# KiCad board Marble_Tiny.kicad_pcb (continued)
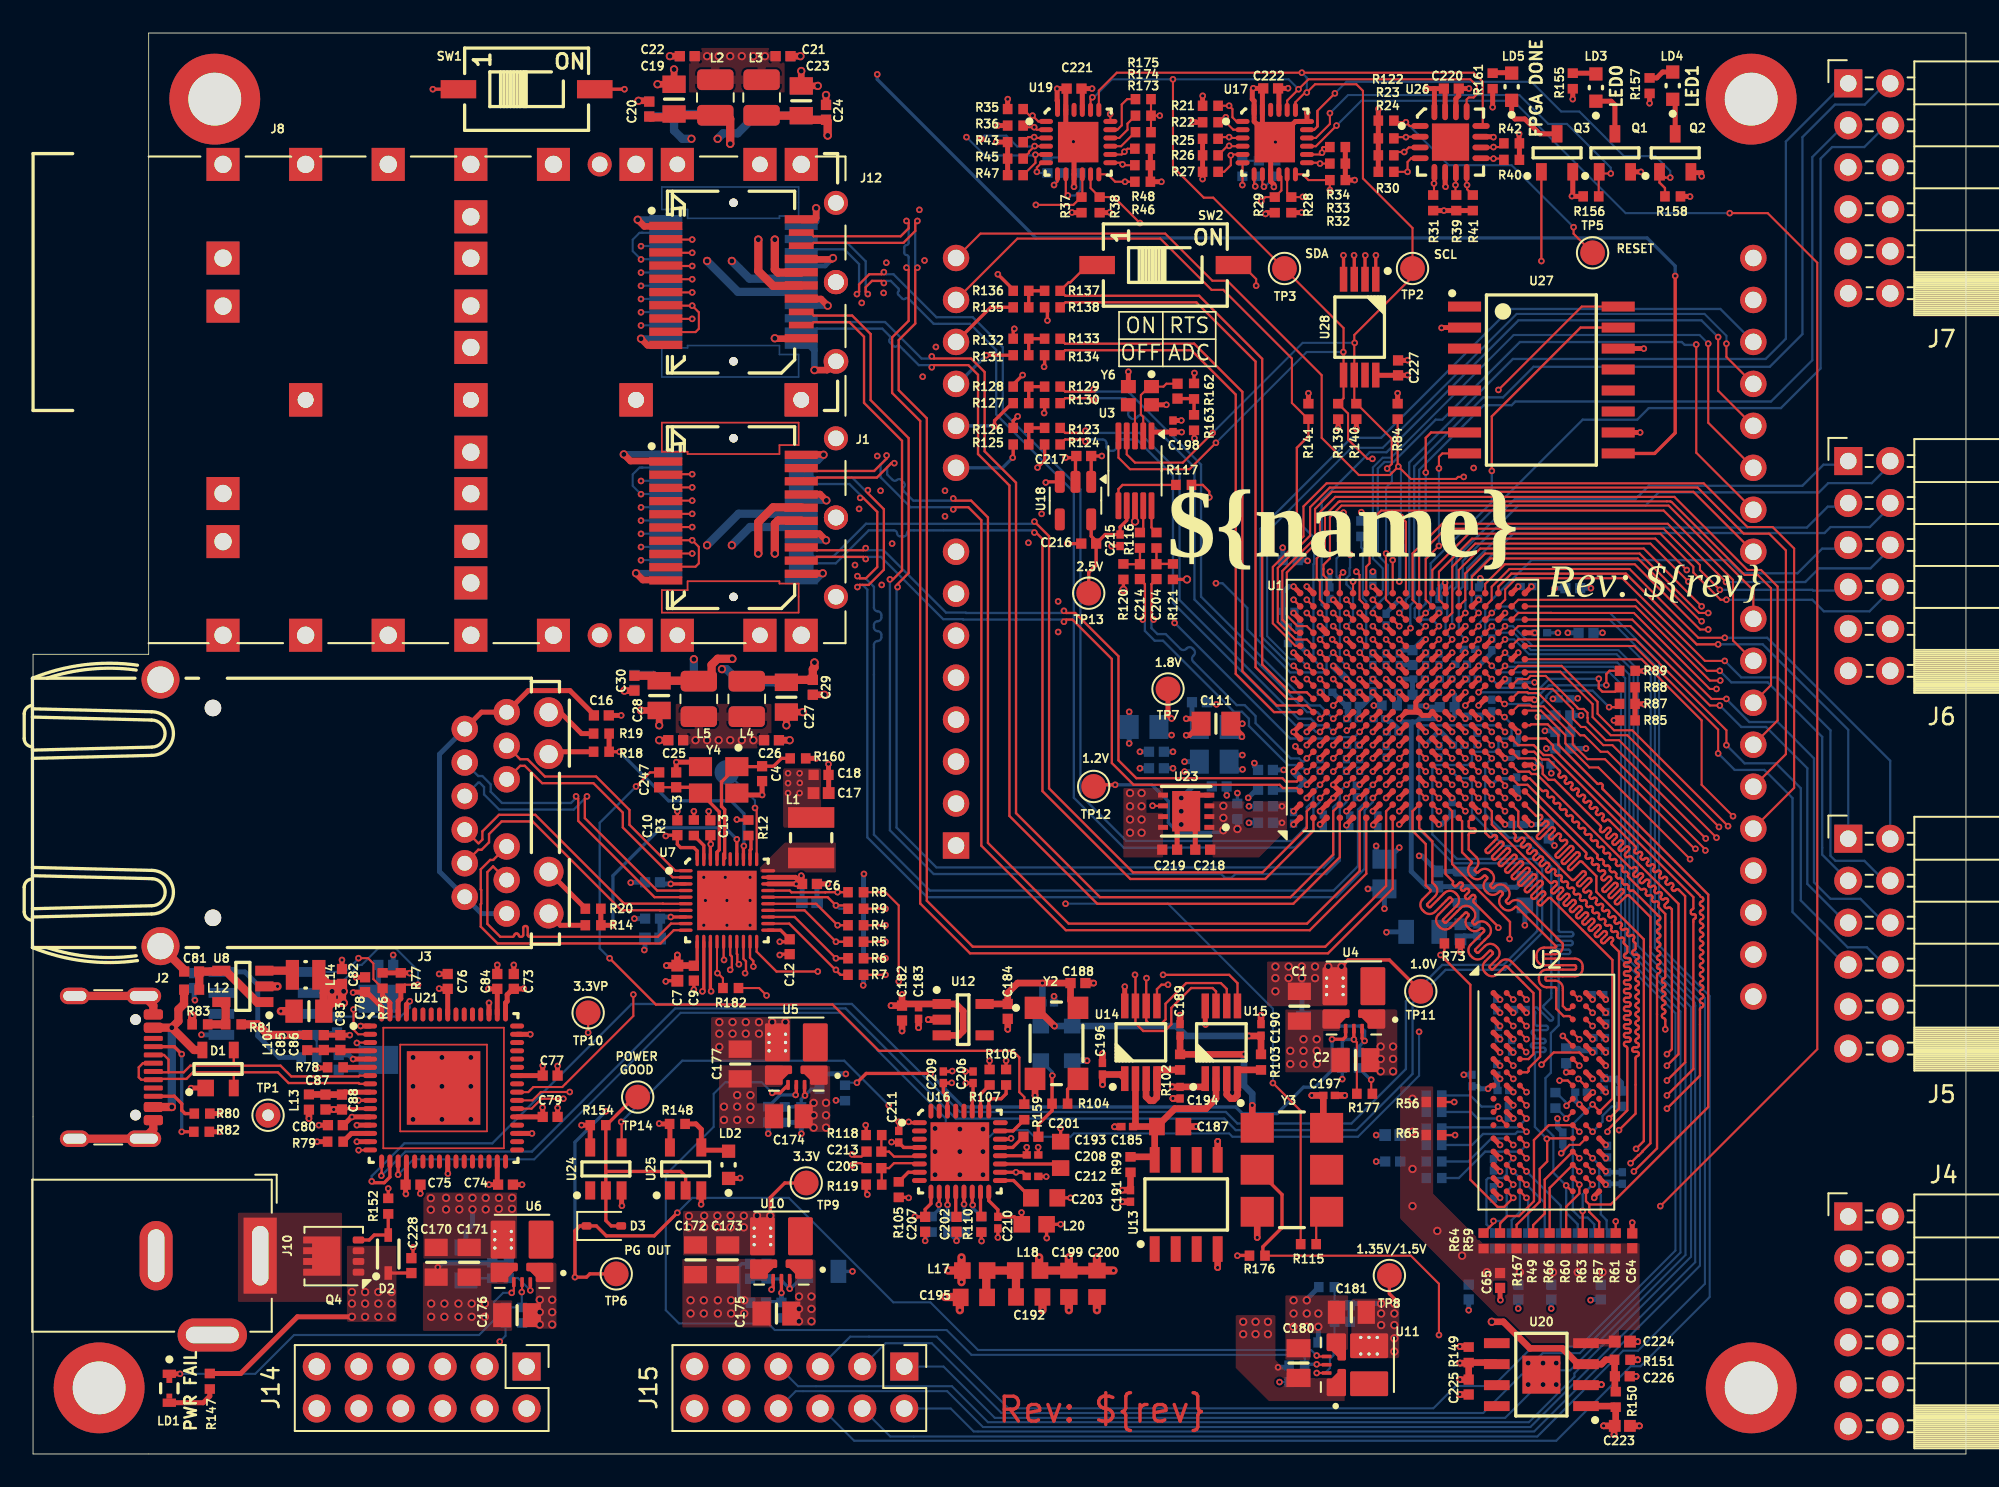
[diagram p0: board, top side]
## Routing (per net, layer and track width the routed paths; a pad name or vN(x,y) marks a point on that pad's centre or on a via; arc(x,y) is an arc through that point) (continued)
RGMII_TXD2: length 53.3
  Top w0.14: U1.E17 v1(79.5,51.7) ; v1(42.2,29.3) 42.3,29.4 42.3,30.1 42.2,30.2 U7.16
  In5.Cu w0.14: v1(42.2,29.3) 42.23,29.32 42.23,30.16 46.06,34 46.6,34 48.7,36.1 52.8,36.1 54.6,37.9 58.1,37.9 58.85,38.65 58.85,43.05 68.28,52.48 70.82,52.48 71.54,53.2 78.14,53.2 78.34,53 78.34,53 79.5,51.84 v1(79.5,51.7)
RGMII_TXD3: length 53.2
  Top w0.127: U1.D18 79.1,53.16 v1(79.29,53.36)
  Top w0.14: U7.15 41.8,29.93 v1(41.83,29.9)
  In5.Cu w0.127: v1(79.29,53.36) 78.86,53.79 78.34,53.79 78.15,53.6 68.8,53.6 58.45,43.25 58.45,38.85 57.96,38.36 54.5,38.36 52.94,36.8 47.75,36.8 44,33.05 43.85,33.05 41.83,31.03 v1(41.83,29.9)
RST: length 133.1
  Top w0.127: U26.1 83.33,80.38 v1(83.1,80.6) 82.47,80.6 R122.1 ; v1(93.25,74.25) 93.25,73.85 TP5.1
  Top w0.14: U1.P10 v1(86.7,45.3) ; U24.4 35.62,20.07 v1(35.6,20.1)
  In2.Cu w0.14: v1(93.25,74.25) 98.1,69.4 98.1,46.51 95.99,44.4 v1(95.69,44.4) 93.96,44.4 93.86,44.3 93.54,44.3 92.81,45.02 90.92,45.02 90.8,44.9 89.33,44.9 89.23,44.99 88.9,44.99 88.81,44.9 87,44.9 86.7,45.2 v1(86.7,45.3)
  In5.Cu w0.14: v1(51.8,21.1) 55.7,25 60.5,25 60.9,25.4 69.1,25.4 73.4,29.7 73.4,34.8 74.4,35.8 78,35.8 80.7,38.5 80.7,44.66 80.94,44.9 82.06,44.9 83.66,46.5 86.06,46.5 86.3,46.26 86.3,45.7 v1(86.7,45.3)
  Bottom w0.127: v1(93.25,74.25) 89.5,78 85.7,78 v1(83.1,80.6)
  Bottom w0.14: v1(35.6,20.1) 39.3,23.8 49.1,23.8 v1(51.8,21.1)
RTS: length 74.4
  Top w0.127: U21.40 29.98,21.9 30.29,22.21 32.04,22.21 36.34,26.51 v1(36.34,27.81) ; v1(74.04,70.71) 74.04,71.11 73.19,71.96 SW2.2
  In2.Cu w0.127: v1(36.34,27.81) 36.34,28.58 53.31,45.56 59.24,45.56 63.64,49.96 63.64,51.31 74.04,61.71 v1(74.04,70.71)
RX: length 67.8
  Top w0.127: v1(32.49,21.91) 30.74,21.91 30.23,21.4 U21.39 ; U1.F17 80.29,51.71 80.29,53.21 v1(80.1,53.4)
  In2.Cu w0.127: v1(80.1,53.4) 79.7,53.8 77.45,53.8 77.31,53.66 74.14,53.66 73.8,54 68.8,54 58.25,43.45 52.75,43.45 41.6,32.3 41.6,31.02 v1(32.49,21.91)
TX: length 71.4
  Top w0.127: v1(32.1,21.5) 30.78,21.5 30.18,20.9 U21.38 ; U1.H18 v1(82.3,54.1)
  In2.Cu w0.127: v1(32.1,21.5) 32.8,21.5 40,28.7 43.6,28.7 43.99,29.09 43.99,31.71 55.18,42.9 58.9,42.9 69.4,53.4 73.5,53.4 73.9,53 77.7,53 78.29,52.41 80.06,52.41 80.5,52.85 80.5,53.35 81.25,54.1 v1(82.3,54.1)
VCXO_EN: length 135
  Top w0.127: v1(85.1,7.2) 85.1,10.3 83.4,12 R176.1 ; v1(98.5,15) 108,24.5 108,72.1 105,75.1 v1(102.7,75.1) ; v1(78.9,80.4) 77.65,79.15 U17.15
  Top w0.2: 74.44,12.25 74.44,12.54 75.6,13.7 75.6,15.7 Y3.2
  In5.Cu w0.127: v1(85.1,7.2) 91.2,7.2 94.2,10.2 95.2,10.2 96.8,11.8 96.8,13.3 v1(98.5,15)
  Bottom w0.127: v1(102.7,75.1) 96.4,75.1 89.6,81.9 80.4,81.9 v1(78.9,80.4)
VUSB: length 12.1
  Top w0.5: D1.4 9.75,24.45 v2(8.4,25.8) ; v2(8.4,21) J2.A9 ; v2(8.4,25.8) 8.8,26.2 8.8,26.9 9.14,27.24 L12.1 ; v2(8.4,25.8) J2.A4
  Bottom w0.5: v2(8.4,25.8) v2(8.4,21)
WR_CLK0_N: length 48.1
  Top w0.14: U1.D5 v1(78.7,41.3) ; C213.1 50.15,18 49.7,18 v1(49.57,18.13)
  In5.Cu w0.12: v1(78.7,41.3) 78.3,41.7 76.62,41.7 76.4,41.92 75.06,41.92 74.67,41.53 74.67,37.93 72.47,35.73 72.47,30.53 68.77,26.83 56.17,26.83 48.97,19.63 48.97,18.27 49.27,17.97 49.41,17.97 v1(49.57,18.13)
WR_CLK0_P: length 49.3
  Top w0.14: v1(49.57,17.47) 49.7,17.6 50.15,17.6 C205.1 ; U1.D6 v1(78.7,42.1)
  In5.Cu w0.12: v1(49.57,17.47) 49.41,17.63 49.13,17.63 48.63,18.13 48.63,19.77 56.03,27.17 68.63,27.17 72.13,30.67 72.13,35.87 74.33,38.07 74.33,41.67 74.94,42.28 76.4,42.28 76.62,42.5 78.3,42.5 v1(78.7,42.1)
WR_DAC1_SYNC: length 31.1
  Top w0.14: v1(68.4,29) 72.4,29 72.91,28.49 U15.5 ; U1.D11 v1(78.7,46.9)
  In5.Cu w0.14: v1(68.4,29) 71.1,31.7 71.1,42.7 74.1,45.7 78.06,45.7 78.7,46.34 v1(78.7,46.9)
WR_DAC2_SYNC: length 25.3
  Top w0.14: U14.5 68.03,28.13 68.3,28.4 v1(68.7,28.4) ; U1.D10 v1(78.7,45.3)
  In5.Cu w0.14: v1(78.7,45.3) 76,45.3 73.4,42.7 72.8,42.7 71.5,41.4 71.5,31.2 v1(68.7,28.4)
WR_DAC_DIN: length 35.2
  Top w0.14: v1(66.7,29) 66.73,28.97 U14.7 66.73,26.07 67.2,25.6 68.5,25.6 68.9,26 68.9,27 70.1,28.2 71.4,28.2 71.61,27.99 U15.7 ; U1.B11 v1(77.1,46.9)
  In5.Cu w0.14: v1(66.7,29) 70.1,32.4 70.1,42.9 73.7,46.5 76.7,46.5 v1(77.1,46.9)
WR_DAC_SCLK: length 35.1
  Top w0.14: v1(67.4,28.8) 67.38,28.78 U14.6 67.38,26.22 67.57,26.03 68.29,26.03 68.55,26.3 68.55,27.25 69.8,28.5 71.9,28.5 72.25,28.14 U15.6 ; U1.C11 v1(77.9,46.9)
  In5.Cu w0.14: v1(67.4,28.8) 70.45,31.85 70.45,42.55 74.1,46.2 77.2,46.2 v1(77.9,46.9)
XADCGND: length 23.5
  Top w0.3: U1.K9 83.7,45.1 83.7,45.5 U1.K10 v1(84.3,46.1) ; U1.K9 84.1,44.7 84.5,44.7 U1.L9 v1(85.1,44.5) ; U1.K9 U1.J9 v1(82.7,44.5)
  Bottom w0.3: 83.5,44.3 82.9,44.3 v1(82.7,44.5) ; 83.5,44.3 83.75,44.3 83.95,44.5 v1(85.1,44.5) ; 83.5,44.3 83.42,44.22 83.42,35.26 84.34,34.34 C151.1 88.5,34.34 U9.3 89.8,34.3 L11.2
Net-(C192-Pad1): length 4.9
  Top w0.5: C192.1 59.5,11.05 L18.1 L17.2 57.7,11.05 57.7,9.5
Net-(C204-Pad2): length 2
  Top w0.14: R113.2 C204.2 68.02,53.87 R121.2
Net-(C214-Pad2): length 2
  Top w0.14: R120.2 66.02,53.85 C214.2 R116.2
Net-(C248-Pad2): length 2
  Top w0.2: R163.2 R162.2 70.25,63.87 69.28,63.87
Net-(D2-A): length 3.2
  Top w0.2: Q4.4 20.35,12.95 20.65,13.25 D2.2 R152.2
Net-(D3-A): length 15.3
  Top w0.127: 34.67,19.9 R154.2
  Top w0.2: 34.67,17.1 39.2,17.1 39.5,16.8 U25.2 ; 34.67,17.1 R154.2 34.7,19.9 36.4,21.6 TP14.1 ; 34.67,17.1 34.67,15.95 ; D3.2 35,13.8 34.67,14.12 U24.2
  Top w0.3: 34.67,15.95 U24.2
Net-(D3-K): length 138
  Top w0.127: U6.5 29.1,9.88 v1(28.97,9.75) ; U11.5 77.75,5.9 v1(77.7,5.95) ; U23.6 67.77,39.22 v1(67.76,39.23)
  Top w0.2: TP6.1 33.7,10.9 33.5,10.7 v1(32.8,10.7) 32.8,13.5 33.1,13.8 D3.1 34.1,13.8 34.7,13.2 37.6,13.2 v1(39,14.6)
  Top w0.3: LD1.1 v1(8.9,4.85)
  In2.Cu w0.2: v1(28.97,9.75) 28.97,10.27 29.4,10.7 v1(32.8,10.7)
  In5.Cu w0.127: v1(34.67,20.74) 37.53,23.6 49.4,23.6 53.9,28.1 57.3,28.1 62.1,32.9 63.02,32.9 67.76,37.64 v1(67.76,39.23)
  Bottom w0.127: v1(77.7,5.95) 77.36,6.29 57.2,6.29 54.32,9.17 52.08,9.17 45.75,15.5 39.9,15.5 v1(39,14.6) ; v1(8.9,4.85) 13.45,4.85 15.8,7.2 27,7.2 27.9,8.1 27.9,9.2 28.45,9.75 v1(28.97,9.75)
  Bottom w0.2: v1(34.67,20.74) 32.8,18.87 v1(32.8,10.7)
Net-(J1-VCCR): length 16.7
  Top w0.5: v2(44.9,54.5) 44.9,56.3 45.09,56.49 46.5,56.49 ; v2(47.3,47.9) 47.3,47.6 47.2,47.5 C29.2 43.27,46.85 L4.2
  In2.Cu w0.5: v2(44.9,54.5) 44.9,54.3 47.5,51.7 47.5,50.5 47.88,50.12 47.88,48.48 v2(47.3,47.9)
Net-(J1-VCCT): length 19.1
  Top w0.5: v2(42.33,48.13) 41.44,48.13 41.07,47.76 41.07,46.93 41.1,46.9 40.98,46.77 L5.2 40.27,46.8 C28.2 37.6,47.1 C30.2 ; 46.5,57.29 44.8,57.29 43.9,56.4 v2(43.9,54.5)
  In2.Cu w0.5: v2(42.33,48.13) 42.4,48.2 42.4,49.9 43.58,51.08 43.58,54.18 v2(43.9,54.5)
Net-(J2-CC1): length 7.3
  Top w0.2: v1(9,19.5) R82.1 ; J2.A5 8.55,24.65 v1(9,24.2)
  Bottom w0.2: v1(9,24.2) v1(9,19.5)
Net-(J2-CC2): length 3.1
  Top w0.2: J2.B5 8.55,21.65 9,21.2 9,20.8 9.2,20.6 R80.1
Net-(J3-LED1A): length 3.2
  Top w0.3: J3.14 33.43,33.02 R20.2
Net-(J3-LED2A): length 3.3
  Top w0.3: J3.16 31.9,44.9 33.2,43.6 R19.2
Net-(J3-TRCT1): length 23.8
  Top w0.3: C16.2 33.95,44.75 32.5,46.2 29.97,46.2 J3.12 27.15,44.9 J3.6
  Bottom w0.3: J3.6 24.6,42.35 24.6,35.25 J3.1 27.15,32.7 J3.7
Net-(J11-VCCR): length 19.9
  In5.Cu w0.5: v2(41.44,79.6) 41.44,77.94 41.1,77.6 41.1,74.9 42.3,73.7 v2(42.3,72.2)
  Bottom w0.5: v2(42.3,72.2) 43.37,71.13 46.46,71.13 ; v2(41.44,79.6) 41.77,79.93 42.65,79.93 43.75,81.02 L6.2 46.48,81.02 C35.2 46.75,80.75 C39.2
Net-(J11-VCCT): length 20.7
  In5.Cu w0.5: v2(40.8,72.2) 40.8,73.8 40.41,74.19 40.41,79.23 40.04,79.6 v2(39.85,79.6)
  Bottom w0.5: v2(40.8,72.2) 42.67,70.33 46.46,70.33 ; v2(39.85,79.6) 39.3,79.6 38.8,80.1 C36.2 ; L7.2 41.23,81.1 C36.2 ; C36.2 38.66,80.96 37.31,80.96 C40.2
Net-(J12-VCCR): length 18
  Top w0.5: v2(42.2,79.3) 42.2,80.8 41.98,81.02 L2.2 38.88,81.02 C19.2 38.6,80.9 37.35,80.9 C20.2 ; v2(43.9,73.49) 43.9,71.59 44.8,70.7 46.5,70.7
  In5.Cu w0.5: v2(43.9,73.49) 43.9,76.39 42.2,78.09 v2(42.2,79.3)
Net-(J12-VCCT): length 16.1
  Top w0.5: L3.2 44.12,81 C23.2 46.75,80.75 C24.2 48.1,80.65 v2(48.1,79.8) ; v2(44.9,73.49) 44.9,71.69 45.09,71.5 46.5,71.5
  In5.Cu w0.5: v2(48.1,79.8) 48.1,77.3 44.9,74.1 v2(44.9,73.49)
Net-(J13-VCCR): length 19.2
  In2.Cu w0.5: v2(40,48.1) 40.4,48.5 40.4,52.9 40.8,53.3 v2(40.8,55)
  Bottom w0.5: v2(40.8,55) 42.7,56.9 46.5,56.9 ; v2(40,48.1) 40,47.07 L8.2 40.27,46.8 C37.2 37.55,47.15 C41.2
Net-(J13-VCCT): length 17.9
  In2.Cu w0.5: v2(42.3,55) 42.3,53.7 41.22,52.62 41.22,48.68 41.7,48.2 v2(41.7,47.5)
  Bottom w0.5: 46.5,56.1 43.41,56.1 v2(42.3,55) ; 47,46.85 46.15,46.85 ; v2(41.7,47.5) 41.98,47.5 42.7,46.77 L9.2 43.27,46.7 C38.2
Net-(LD1-A): length 3
  Top w0.3: LD1.2 10.3,3.1 10.7,3.5 R147.2
Net-(LD2-A): length 4
  Top w0.3: R148.1 40.12,19.97 40.45,19.65 U25.4 40.61,18.39 41.83,18.39 42.09,18.12
Net-(LD3-A): length 1.4
  Top w0.3: LD3.2 94.55,83.57 R155.1
Net-(LD3-C): length 3
  Top w0.3: LD3.1 95.53,81.88 95.75,81.65 Q1.3
Net-(LD4-A): length 1.5
  Top w0.3: R157.1 98.28,83.28 98.64,83.64 LD4.2
Net-(LD4-C): length 2.2
  Top w0.3: 99.4,79.85 99.4,81.84 LD4.1
Net-(LD5-A): length 1.3
  Top w0.3: 89.55,83.6 88.25,83.6 ; 89.5,83.57 LD5.2
Net-(LD5-C): length 4.1
  Top w0.3: LD5.1 89.5,81 89.7,80.8 90.3,80.8 91.2,79.9 Q3.3
Net-(Q3-G): length 36
  Top w0.14: v1(91.3,72.2) Q3.1 ; U1.F12 v1(80.3,47.7)
  In5.Cu w0.14: v1(80.3,47.7) 79.9,48.1 79.9,52.2 79.5,52.6 79.5,53 79.69,53.19 79.69,53.84 79.32,54.21 79.32,55.22 79.9,55.8 79.9,60.8 v1(91.3,72.2)
Net-(R123-Pad1): length 2
  Top w0.2: R125.2 R126.1 R123.1
Net-(R127-Pad2): length 2
  Top w0.2: R129.1 R128.1 R127.2
Net-(R131-Pad2): length 2
  Top w0.2: R131.2 R132.1 R133.1
Net-(R135-Pad2): length 2
  Top w0.2: R137.1 R136.1 R135.2
Net-(U1D-MGTRREF_216): length 6.9
  Top w0.2: U1.A6 76.41,42.79 v1(76.41,42.83)
  In5.Cu w0.2: v1(76.41,42.83) 74.33,42.83 73.37,41.86 73.04,41.86 72.79,41.61 72.79,40.7 72.9,40.59 v1(72.9,40)
  Bottom w0.2: v1(72.9,40) R114.1
Net-(U1E-CFGBVS_0): length 8.7
  Top w0.14: U1.E12 v1(79.5,47.7)
  Bottom w0.127: v1(79.5,47.7) 79.1,48.1 79.1,52.89 78.9,53.09 78.9,54.2 79.2,54.5 R86.1
Net-(U1E-INIT_B_0): length 8.6
  Top w0.14: U1.T10 89.03,45.37 89.08,45.37 89.09,45.37 89.09,45.37 89.08,45.38 v1(89.07,45.39) ; v1(95.4,45.2) 95.83,45.2 R87.1
  Bottom w0.14: v1(95.4,45.2) 94.4,46.2 91.94,46.2 91.6,45.86 91.6,45.75 91.06,45.21 90.74,45.21 90.56,45.39 89.15,45.39 89.12,45.36 89.12,45.36 89.11,45.37 89.1,45.37 89.09,45.38 89.09,45.38 89.08,45.39 v1(89.07,45.39)
Net-(U1E-M0_0): length 9.6
  Top w0.14: v1(94.78,46.92) 94.78,46.35 94.99,46.13 95.76,46.13 R88.1 ; U1.R12 v1(88.3,46.9)
  Bottom w0.14: v1(88.3,46.9) 88.83,46.37 90.57,46.37 90.64,46.3 91.16,46.3 91.78,46.92 v1(94.78,46.92)
Net-(U1E-M1_0): length 10.1
  Top w0.14: R89.2 95.42,47.4 95.23,47.21 v1(95.23,46.53) ; v1(87.5,46.1) U1.R11
  Bottom w0.14: v1(87.5,46.1) 90.43,46.1 90.5,46.03 91.27,46.03 91.76,46.52 94.94,46.52 94.95,46.53 v1(95.23,46.53)
Net-(U1E-M2_0): length 7.9
  Top w0.14: U1.F13 v1(80.3,48.5)
  Bottom w0.127: 80.5,54.76 80.4,54.86 R90.2
  Bottom w0.14: 80.5,54.76 80.5,51.8 80.7,51.6 80.7,48.9 v1(80.3,48.5)
Net-(U1F-VCCADC_0): length 1.4
  Top w0.3: U1.J10 v1(82.7,46.1)
  Bottom w0.3: v1(82.7,46.1) 82.7,45.44 L16.2
Net-(U2-ZQ): length 3.1
  Top w0.14: U2.L8 v1(94.4,19.5)
  Bottom w0.14: R72.1 95.57,21.03 95,20.46 95,20.1 v1(94.4,19.5)
Net-(U3-CLK0): length 1.7
  Top w0.14: R113.1 67.7,56.07 U3.10
Net-(U3-CLK1): length 1.7
  Top w0.14: U3.9 67.2,55.97 R116.1
Net-(U3-CLK2): length 4.6
  Top w0.14: R117.1 65.95,58.65 65.7,58.4 U3.6
Net-(U3-XA): length 5
  Top w0.127: U3.2 67.2,62.77 67.06,62.91 67.06,64.09 67.57,64.6 Y6.1 68.42,64.6 68.6,64.77 69.28,64.77
Net-(U3-XB): length 2.1
  Top w0.127: 66.25,63.55 66.7,63.1 U3.3
Net-(U4-EN): length 5.4
  Top w0.127: v1(79.95,25.09) 80.13,24.91 R177.2
  Top w0.2: U4.6 79.95,25.09 v1(79.95,25.09)
  Bottom w0.2: R142.1 79.25,24.95 79.39,25.09 v1(79.95,25.09)
Net-(U4-FB): length 4.6
  Top w0.2: v1(80.6,25) 80.45,25.15 U4.7
  Bottom w0.2: R2.2 80.3,24.35 80.3,24.7 v1(80.6,25) 80.6,25.6 80.3,25.9 78.9,25.9 R1.1
Net-(U4-PG): length 42
  Top w0.2: U4.5 79.45,25.25 79.3,25.1 v1(78.63,25.1) ; v1(46.16,21.73) 46.2,21.77 U5.6 ; v1(49.87,22.47) 50.43,23.03 v1(54.33,23.03)
  In5.Cu w0.2: v1(49.87,22.47) 49.84,22.5 46.6,22.5 46.16,22.06 v1(46.16,21.73)
  Bottom w0.127: R178.2 49.3,22.47 v1(49.87,22.47)
  Bottom w0.2: v1(54.33,23.03) 54.33,22.97 56.3,21 72.8,21 73.2,20.6 75.3,20.6 76.9,22.2 77.6,22.2 78.63,23.23 v1(78.63,25.1) ; 44.5,21.01 45.22,21.73 v1(46.16,21.73)
Net-(U5-FB): length 3.5
  Top w0.2: v1(46.73,21.7) 46.7,21.72 U5.7
  Bottom w0.2: R95.1 47.1,22.07 v1(46.73,21.7) 46.5,21.47 R96.2 R97.2
Net-(U6-FB): length 4.7
  Top w0.127: U6.7 v1(30.1,9.9)
  Bottom w0.127: C179.2 29.35,10.65 v1(30.1,9.9) ; 28.78,10.63 R92.1 26.33,10.63 R91.2
Net-(U7-INTB/PMEB): length 6
  Top w0.127: v1(43.7,39.1) 43.8,39 U7.31
  Bottom w0.127: TP4.1 43.7,39.55 v1(43.7,39.1)
Net-(U7-RSET): length 1.7
  Top w0.2: R3.1 40.6,36.83 U7.39
Net-(U7-XTAL_IN): length 9.5
  Top w0.2: R160.2 45.3,42.1 44.82,41.62 C4.1 44.1,41.6 Y4.1 41.67,40.67 41.67,39.2 41.87,39 41.87,36.07 U7.36
Net-(U7-XTAL_OUT/EXT_CLK): length 7.2
  Top w0.14: C247.1 C3.1
  Top w0.2: U7.37 41.4,36.42 41.54,36.56 41.54,38.86 Y4.3 40.05,40.35 C3.1
Net-(U8-EN): length 5.9
  Top w0.5: L12.2 10.06,29.19 C81.2 11.35,29.2 U8.4 11.65,29.25 13.55,27.35 U8.1
Net-(U8-FB): length 2.5
  Top w0.5: U8.5 11.66,27.09 R81.1 R83.1
Net-(U8-SW): length 1.8
  Top w0.5: U8.3 15.45,29.25 L14.1
Net-(U9-IN): length 4.3
  Bottom w0.3: L15.2 85.58,32.06 C152.2 86.41,32.05 C153.2 87.4,32.9 86.95,33.35 U9.1
Net-(U10-EN): length 65.8
  Top w0.127: U11.6 77.73,5.4 v1(77.7,5.43)
  Top w0.2: v1(44.74,21.86) 45.22,21.86 U5.5 ; v1(45.3,9.75) U10.6
  Bottom w0.127: R179.2 44.49,9.03 44.49,7.91 44.5,7.9 ; 44.5,7.9 39.1,7.9 38.3,8.7 38.3,16.9 41.2,19.8 41.2,21.8 41.9,22.5 44.1,22.5 v1(44.74,21.86) ; 44.5,7.9 44.9,7.5 55.3,7.5 56.8,6 76.79,6 76.97,5.82 76.97,5.25 ; R180.2 R145.1
  Bottom w0.2: v1(77.7,5.43) 77.04,5.43 ; 44.44,9.22 45.3,9.22
  Bottom w0.3: 45.3,9.22 v1(45.3,9.75)
Net-(U10-FB): length 4.7
  Top w0.2: U10.7 v1(45.8,10)
  Bottom w0.2: C178.2 43.42,10.59 R93.1 45.21,10.59 v1(45.8,10) 45.85,10 46.75,10.9 R94.2
Net-(U10-PG): length 19.3
  Top w0.127: U6.6 29.6,9.81 v1(29.58,9.8)
  Top w0.2: U10.5 44.8,10.05 v1(44.7,9.95)
  In2.Cu w0.127: v1(44.7,9.95) 38.45,9.95 37.7,9.2 33.2,9.2 32.1,10.3 29.95,10.3 29.58,9.94 v1(29.58,9.8)
  Bottom w0.127: v1(29.58,9.8) 29.58,9 ; R146.1 R181.2
Net-(U11-FB): length 6.5
  Top w0.127: U11.7 v1(77.7,4.9)
  Bottom w0.127: R169.2 78.78,10.09 R101.1 R100.1 78.78,6.81 R98.2 78.72,5.97 78.5,5.75 78.5,5.2 78.2,4.9 v1(77.7,4.9)
Net-(U12-VOUT): length 10.4
  Top w0.4: U12.5 C184.1 59,27.9 59.6,28.5 C188.1 62.8,27.45 Y2.4
  Bottom w0.4: Y1.6 61.1,26 C186.1 v1(61.1,28.5)
Net-(U13-C): length 13.5
  Top w0.4: 66.43,17.98 67.71,17.98 U13.8 67.89,19.68 C187.1 ; C187.1 C185.1 66.73,19.96 U14.2 ; C187.1 69.11,20.9 71,20.9 71.61,21.5 U15.2
Net-(U14-VFB): length 5.7
  Top w0.4: R102.2 68.03,23.24 U14.4 68.03,23.11 68.02,23.12 68.02,21.58 67.82,21.38 67.62,21.38 67.37,21.62 67.37,22.59
Net-(U15-VFB): length 4.8
  Top w0.4: U15.3 72.25,21.74 72.5,21.5 72.7,21.5 72.91,21.7 U15.4 72.91,23.24 R103.2
Net-(U16-CE): length 1.5
  Top w0.2: U16.7 52.98,17.05 R105.2
Net-(U16-OD0): length 1.5
  Top w0.2: v1(56.35,15.11) 56.35,15.12 U16.13
  Bottom w0.2: v1(56.35,15.11) 56.35,14.42 R108.2
Net-(U16-OD1): length 1.7
  Top w0.2: U16.14 56.85,15.09 v1(56.88,15.07)
  Bottom w0.2: v1(56.88,15.07) 56.88,14.89 R109.2
Net-(U16-OD2): length 1.5
  Top w0.2: R110.2 57.35,14.42 U16.15
Net-(U16-OS0): length 1.5
  Top w0.2: v1(55.35,15.08) 55.35,15.08 U16.11
  Bottom w0.2: v1(55.35,15.08) 55.35,14.42 R112.2
Net-(U16-OS1): length 1.7
  Top w0.2: U16.10 54.85,15.11 v1(54.83,15.09)
  Bottom w0.2: R111.2 54.83,14.8 v1(54.83,15.09)
Net-(U16-OSCOUT): length 1.7
  Top w0.2: R159.1 59.32,19.55 U16.23
Net-(U16-PR0): length 2.4
  Top w0.2: U16.25 57.85,21.35 58,21.5 58.6,21.5 58.9,21.8 R106.2
Net-(U16-PR1): length 1.8
  Top w0.2: U16.26 57.35,21.78 R107.2
Net-(U16-REGCAP1): length 3.8
  Top w0.2: U16.19 61.95,17.55 C201.1
Net-(U16-REGCAP2): length 2.3
  Top w0.2: U16.17 59.35,16.55 C203.1
Net-(U16-VCCPLL1): length 8.1
  Top w0.2: v1(53.38,14.36) 53.39,14.35 C207.1 54,14.8 54.35,15.15 U16.9 ; C212.1 59.9,17.05 v1(59.5,17.05) U16.18 ; v1(59.83,14.61) 59.85,14.59 L20.1 59.4,14.35 C210.1 58.4,14.79 57.85,15.34 U16.16
Net-(U16-XIN): length 1.7
  Top w0.2: U16.21 59.3,18.55 C193.2
Net-(U16-~{RSTN}): length 1.5
  Top w0.2: C202.1 55.85,14.4 U16.12
Net-(U17-P05): length 1.9
  Top w0.127: U17.6 73.21,76.81 v1(73.2,76.8)
  Bottom w0.127: v1(73.2,76.8) R164.2
Net-(U17-P06): length 1.5
  Top w0.127: v1(73.98,76.72) 73.91,76.79 U17.7
  Bottom w0.127: R165.2 73.98,77.11 v1(73.98,76.72)
Net-(U17-P07): length 1.7
  Top w0.127: v1(74.51,76.7) 74.41,76.79 U17.8
  Bottom w0.127: R166.2 74.57,76.7 v1(74.51,76.7)
Net-(U19-P05): length 1.7
  Top w0.127: 60.7,77.6 v1(60.76,77.6) 60.76,77.86 61.05,78.15 U19.6
  Bottom w0.127: v1(60.76,77.6) 60.83,77.53 R170.2
Net-(U19-P06): length 1.7
  Top w0.127: v1(61.8,76.8) 62.01,77.01 U19.7
  Bottom w0.127: v1(61.8,76.8) 61.8,76.93 R171.2
Net-(U19-P07): length 3.3
  Top w0.127: v1(62.63,76.17) 62.51,76.29 U19.8
  Bottom w0.127: v1(62.63,76.17) 63.07,76.17 63.4,76.5 R172.2
Net-(U19-P15): length 1.9
  Top w0.127: U19.15 65.86,79.15 66.71,80 R173.2
Net-(U19-P16): length 2.3
  Top w0.127: U19.16 65.75,79.65 66.25,80.15 66.25,80.52 R174.2
Net-(U19-P17): length 3
  Top w0.127: U19.17 65.64,80.15 65.9,80.41 65.9,81.67 66.23,82 R175.2
Net-(U21-EECLK): length 11.8
  Top w0.127: v1(23.3,28.4) 22.48,28.4 R77.1
  Top w0.3: U21.62 22.1,27.4 22.26,27.56 R77.1
  Bottom w0.127: U22.2 17.27,27.9 17.81,28.44 18.59,28.44 19.75,29.6 19.9,29.6 20.89,30.59 21.96,30.59 23.3,29.25 v1(23.3,28.4)
Net-(U21-EECS): length 7.8
  Top w0.127: R76.1 20.6,28.74 20.6,29.68 20.28,30.01 v1(19.7,30.01)
  Top w0.3: R76.1 21.16,27.74 21.6,27.3 U21.63
  Bottom w0.127: U22.1 18.9,29.17 19.7,29.98 v1(19.7,30.01)
Net-(U21-EEDATA): length 7.6
  Top w0.3: U21.61 22.6,27.2 v1(22.8,27.4)
  Bottom w0.127: v1(22.8,27.4) 22.8,27.02 22.25,26.47 R74.2 16.96,26.47 U22.3
Net-(U21-OSCI): length 6.2
  Top w0.127: U21.2 19.68,25.4 19.4,25.68 v1(19.4,26.9)
  Bottom w0.127: Y5.2 20.25,26.9 v1(19.4,26.9)
  Bottom w0.3: C72.1 Y5.2
Net-(U21-OSCO): length 4.9
  Top w0.127: v1(19.6,24.88) 19.62,24.9 U21.3
  Bottom w0.127: v1(19.6,24.88) 20.63,23.85
  Bottom w0.3: Y5.1 20.3,23.25 C71.1
Net-(U21-REF): length 1.6
  Top w0.3: U21.6 R78.2
Net-(U21-RESET#): length 1.8
  Top w0.3: U21.14 19.27,19.4 R79.1
Net-(U21-VPHY): length 3.8
  Top w0.3: U21.4 18.65,24.4 C86.2 C85.2 17.59,24.44 L10.2
Net-(U21-VPLL): length 3.8
  Top w0.2: 17.69,21.76 C87.2
  Top w0.3: C88.2 18.85,21.9 U21.9
  Top w0.4: C88.2 C87.2 ; L13.2 17.69,21.76
Net-(U22-DO): length 3.2
  Bottom w0.127: R74.1 16.96,25.53 U22.4 17.17,24.99 R75.2
Net-(U27-~{WP/}IO2): length 85
  Top w0.2: U27.9 98.16,60.55 99.4,61.8 v1(99.4,71.3) ; SW1.2 v1(35.8,82.6)
  In2.Cu w0.2: v1(35.8,82.6) 35.98,82.42 46.32,82.42 47.4,83.5 v1(51.1,83.5)
  Bottom w0.2: v1(99.4,71.3) 99.4,71.9 97.7,73.6 60.7,73.6 51.1,83.2 v1(51.1,83.5)
Net-(Y1-OUT): length 5.2
  Top w0.2: v1(61.7,22.9) 61.68,22.88 R104.2 61.68,20.78 60.85,19.95 C193.1
  Bottom w0.2: Y1.4 61.7,23.1 v1(61.7,22.9)
Net-(Y2-OUT): length 1.8
  Top w0.2: R104.1 62.62,22.07 Y2.3
Net-(Y3-OUT): length 2.2
  Top w0.127: Y3.4 77.67,14.03 R115.1

## Copper pours and planes (outline as drawn; the poured copper is in the pictures)
1V8USB on In5.Cu: 19,29.25 31.25,29.25 31.25,19.5 19,19.5
+1V0 on Top: 79.5,29.8 74.7,29.8 74.7,27.1 79.5,27.1
+1V0 on In3.Cu: 92.5,43.75 87.25,43.75 86,42.5 83.5,42.5 81.8,40.8 81.8,26.7 74.6,26.7 72.6,28.7 69.5,28.7 69.5,49.9 92.5,50
+1V2 on Top: 71.4,39.5 71.4,36.1 74.2,36.1 75.9,37.8 75.9,39.5
+1V2 on In2.Cu: 81.5,41 70.25,41 70.25,35.25 81.5,35.25
+1V8 on Top: 45.84,26.44 41.04,26.44 41.04,23.74 45.84,23.74
+1V8 on Top: 68.4,39.6 67.4,39.6 67.4,38.8 68.4,38.8 68.4,36.1 66,36.1 66,40.3 68.4,40.3
+1V8 on In2.Cu: 82,49 88,49 88,45 82,45 78.75,41.75 69.5,41.75 69.5,35.25 64,35.25 64,43 69.75,48.75
+1V8 on In2.Cu: 41,27.5 56.25,27.5 64.75,36 69.5,36 69.5,28.5 61.5,20.5 41,20.5
+3V3 on Top: 45.5,82.4 39.7,82.4 39.7,85.1 45.5,85.1
+3V3 on Top: 38.9,45.4 44.7,45.4 44.7,42.7 38.9,42.7
+3V3 on Top: 44.92,14.72 39.35,14.72 39.35,12.02 44.92,12.02
+3V3 on Bottom: 45.5,82.4 39.7,82.4 39.7,85.1 45.5,85.1
+3V3 on Bottom: 38.9,45.4 44.7,45.4 44.7,42.7 38.9,42.7
+3V3 on In4.Cu: 7.25,85.75 116.75,85.75 116.75,0.25 0.25,0.25 0.25,30.75 8.75,30.75 9,49 9,79.25 7.25,79.25
+3V3_CLEAN on In3.Cu: 51.6,28.3 71.8,28.3 78.4,21.8 78.4,9.9 51.6,9.9
+3V3_P on Top: 29.3,15.82 23.63,15.82 23.63,11.82 29.3,11.82
+3V3_P on In5.Cu: 29.5,14.5 18.75,14.5 18.75,7.25 62.5,7.25 63.25,6.5 92.5,6.5 105.75,19.75 105.75,71.9 116.75,71.9 116.75,0.25 0.26,0.25 0.21,19 29.5,19
+3V3_USB on In2.Cu: 28.75,29.5 28.75,21.5 19,21.5 19,18.25 12.25,18.25 12.25,29.5
+12V on Top: 79.4,4.6 76.2,4.6 75.2,5.7 75.2,8.4 72.8,8.4 72.8,5.2 74.8,3.2 79.4,3.2
+12V on Top: 46.12,7.78 47.37,7.78 47.37,11.78 46.12,11.78
+12V on Top: 19,12.6 22,12.6 22,8 19,8
+12V on Top: 30.43,7.58 31.68,7.58 31.68,11.58 30.43,11.58
+12V on Top: 81.33,22.91 82.58,22.91 82.58,26.91 81.33,26.91
+12V on Top: 47,19.5 48.25,19.5 48.25,23.5 47,23.5
+12V on In5.Cu: 19,7.5 63.5,7.5 64.25,6.75 79,6.75 79,19.25 82.75,23 82.75,27.5 73.5,27.5 63,17 49,17 48.4,17.6 48.4,22.1 39.1,22.1 31.3,14.3 19,14.3
GND on Top: 23.6,11.6 23.6,7.45 29,7.45 29,9.3 27.75,9.3 27.75,10.3 28.75,10.3 28.75,11.6
GND on Top: 41.52,23.52 41.52,19.72 45.42,19.72 45.42,21.22 43.82,21.22 43.82,22.22 45.4,22.22 45.4,23.52
GND on Top: 75.8,26.9 75.8,23.1 79.7,23.1 79.7,24.6 78.1,24.6 78.1,25.6 79.1,25.6 79.1,26.9
GND on Top: 39.3,11.8 39.3,7.65 44.7,7.65 44.7,9.5 43.45,9.5 43.45,10.5 44.45,10.5 44.45,11.8
GND on Top: 79.6,9.6 75.8,9.6 75.8,5.7 77.3,5.7 77.3,7.3 78.3,7.3 78.3,6.3 79.6,6.3
GND on In1.Cu, In3.Cu, In6.Cu: 7.5,85.5 116.5,85.5 116.5,0.5 0.5,0.5 0.5,30 9,30 9,45.5 7.5,47.5
DDRVCC on Top: 79.8,9.4 79.8,5.8 82.7,5.8 82.7,9.4
DDRVCC on In4.Cu: 78.6,10.2 83.97,15.5 83.9,43.5 95,43.5 96.8,41.7 96.8,1 94.6,1 94.6,5.9 78.6,5.9
DDRVREF on In5.Cu: 88.5,22.5 88.5,17.75 89.5,17 90.25,17 91.75,18.5 92.75,18.5 92.75,18 90,15.25 90,8.75 88.75,7.5 87.5,7.5 86.75,8.25 86.75,22 87.25,22.5
DDRVTT on Top: 84.75,22.25 84.75,15.75 87.75,12.75 97.25,12.75 97.25,7.5 96,7.5 96,6.5 90.5,6.5 82.75,14.25 82.75,22.25
DDRVTT on Bottom: 84.7,22.2 84.7,15.7 87.5,12.9 96.2,12.9 96.2,9.9 85.8,9.9 82.5,13.2 82.5,22.2
REG_1V0 on Top: 47.7,41.5 47.7,37.9 45.4,37.9 45.4,41.5
REG_1V0 on Bottom: 37.5,35.5 39.5,37.5 43.25,37.5 44,38.25 44,41.5 48.25,41.5 48.25,37.75 45.5,35 45.5,30.75 44.75,30 38,30 37.5,30.5
Net-(Q4-D) on Top: 12.4,9.2 18.7,9.2 18.7,14.6 12.4,14.6
Net-(U7-REG_OUT) on Top: 44,35.2 48.6,35.2 48.6,37 45.5,37 44,35.5
Net-(U16-VCCPLL1) on In2.Cu: 60.3,17.6 60.3,14.1 53.1,14.1 53.1,17.6

## Text on the board
User.Drawings: F.Silkscreen | F.Paste | F.Mask | F.Cu | Dielectric | In1.Cu | In2.Cu | In3.Cu | In4.Cu | In5.Cu | In6.Cu | B.Cu | B.Mask | B.Paste | B.Silkscreen | Top Silk Screen | Top Solder Paste | Top Solder Mask | copper | prepreg | core | Bottom Solder Mask | Bottom Solder Paste | Bottom Silk Screen | Not specified | FR4 | 0 mm | 0.01 mm | 0.035 mm | 0.0994 mm | 0.0152 mm | 0.45 mm | 0.1088 mm | 1 | 3.3 | 4.5 | 0 | 0.02 | Layer Name | Type | Material | Thickness (mm) | Color | Epsilon R | Loss Tangent
Top: Rev: ${rev}
F.Silkscreen: 3.3VP | PG OUT | 3.3V | 2.5V | 1.2V | 1.8V | SDA | 1.35V/1.5V | 1.0V | SCL | RESET | POWER / GOOD | PWR FAIL | FPGA DONE | LED0 | LED1 | Rev: ${rev} | ${name}
